# KiCad board HALTEST-panel.kicad_pcb (continued)
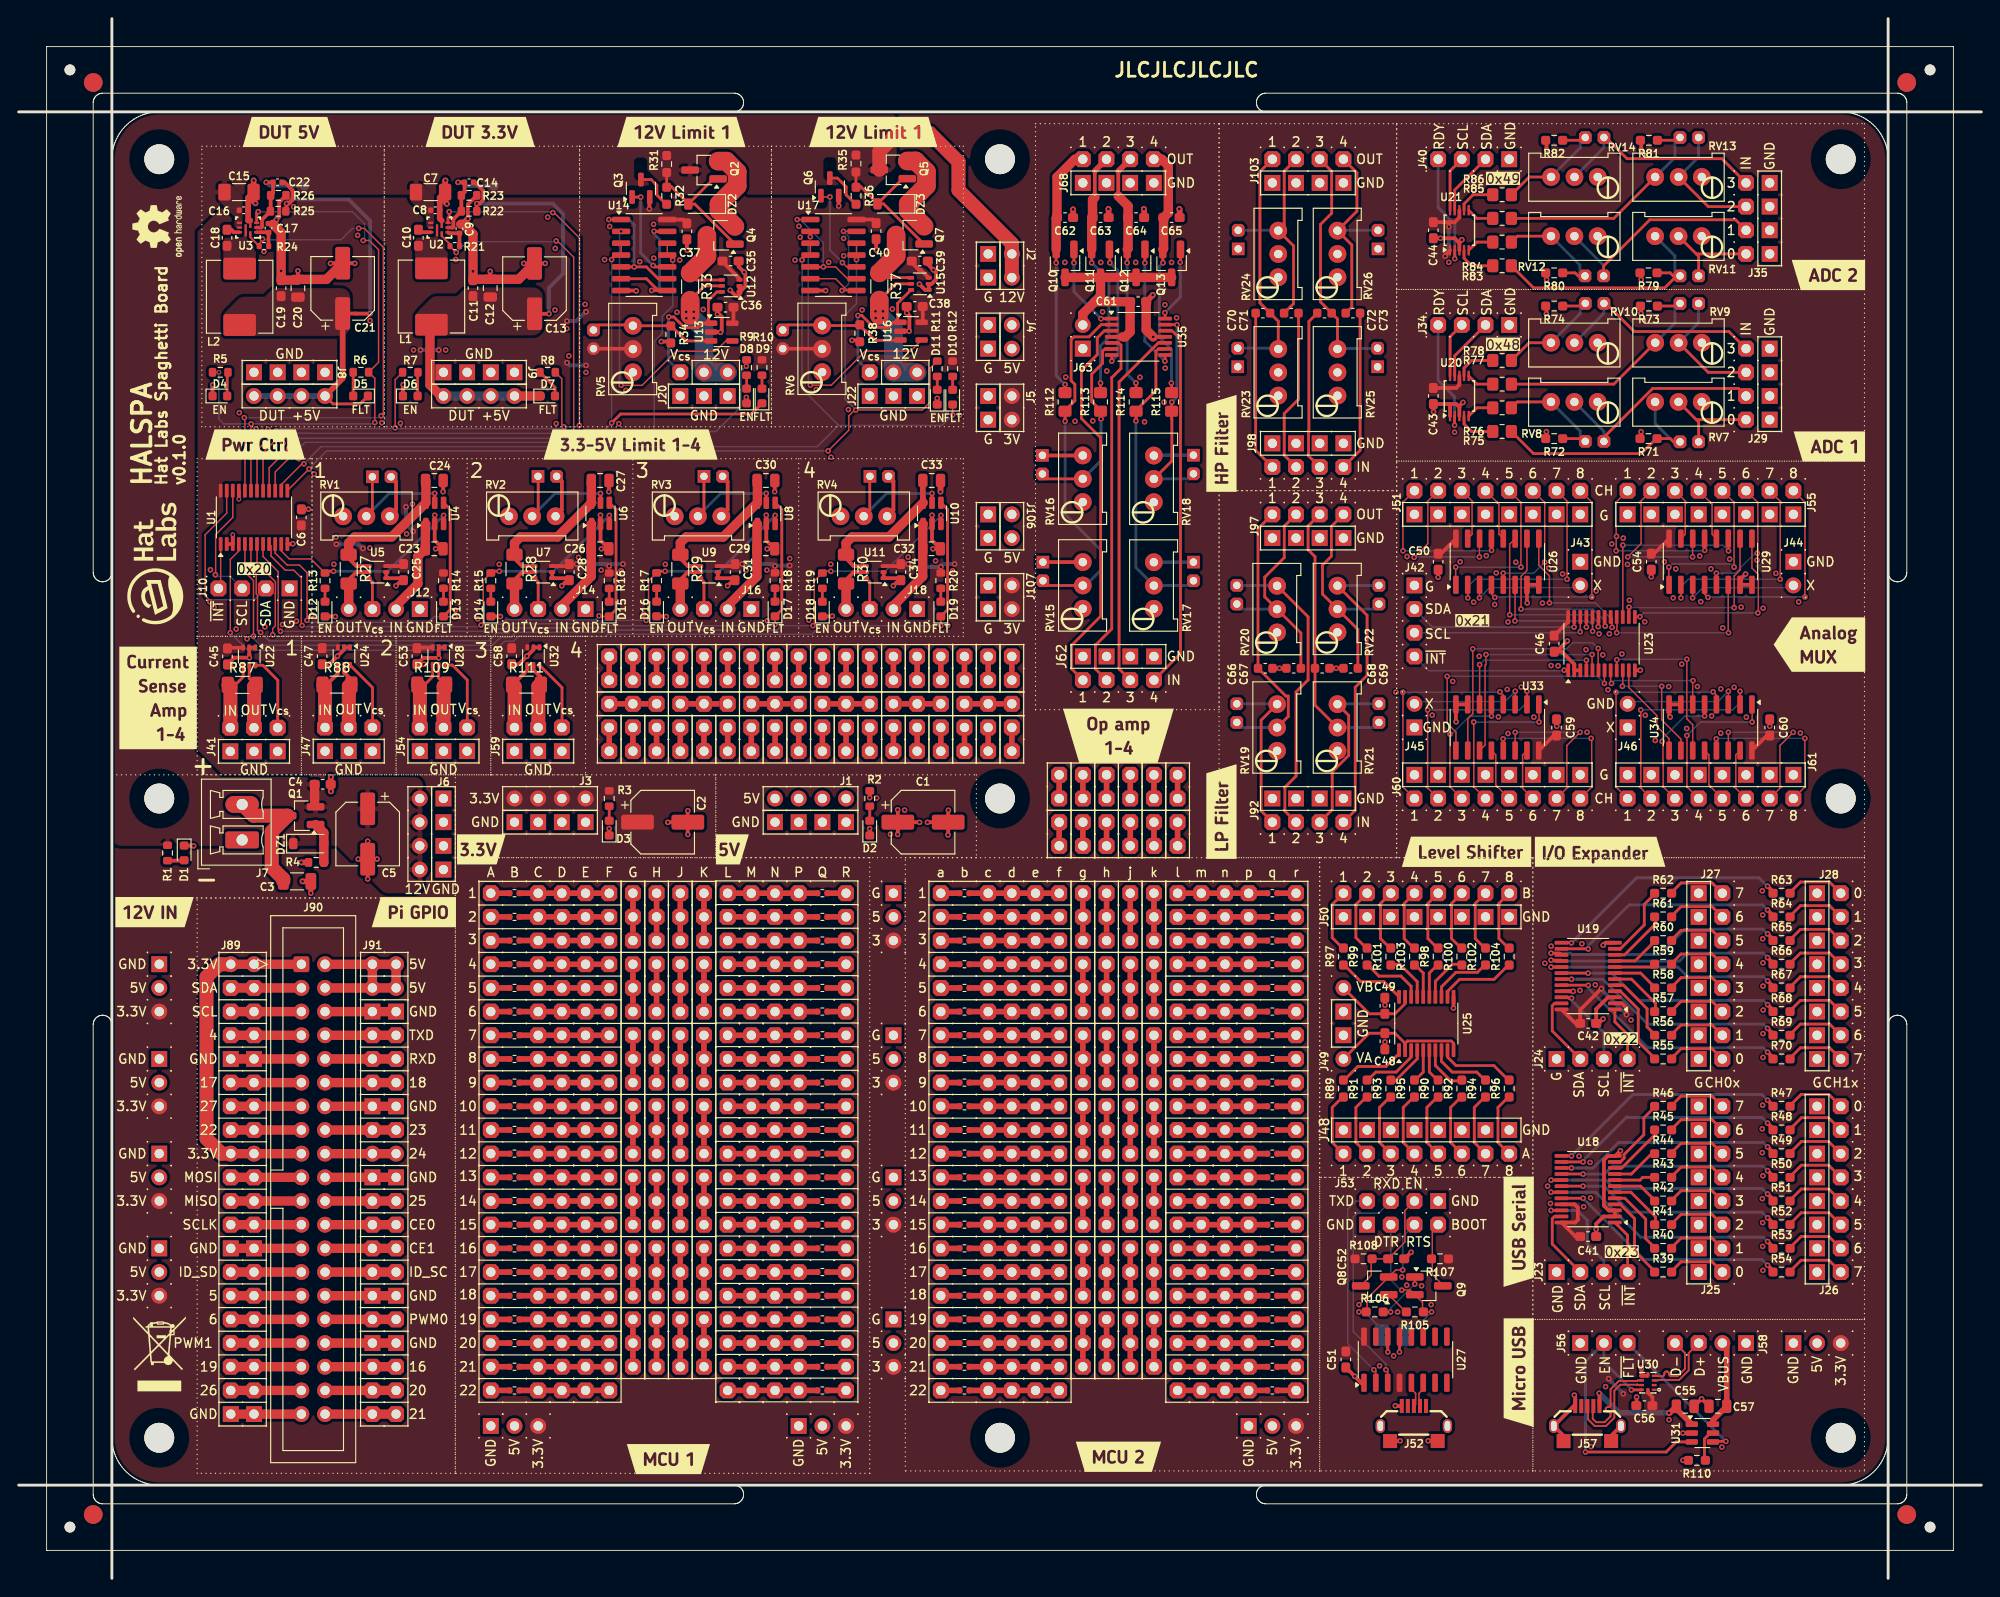
[diagram p0: board, top side]
## Routing (per net, layer and track width the routed paths; a pad name or vN(x,y) marks a point on that pad's centre or on a via; arc(x,y) is an arc through that point) (continued)
  Bottom w0.4: v1(26.55,149.76) 26.9,149.41 TP2.1
Board_0-/DUT Power/Curlim 1/CLSOUT: length 16.7
  Top w0.4: 35.08,109.73 36.22,108.59 U5.4
  Top w1: 35.4,109.73 35.4,111.08 36.03,111.72 40,111.72 U4.6 43.67,117.74 C24.1
Board_0-/DUT Power/Curlim 1/ILIM: length 13.8
  Top w0.3: RV1.2 37.94,114.58 J11.1 ; U4.5 44.62,116.38 v1(44.62,116.39)
  Bottom w0.3: v1(44.62,116.39) 39.75,116.39 RV1.2
Board_0-/DUT Power/Curlim 1/V_{Iin}: length 3.7
  Top w0.3: 37.94,103.78 37.94,106.88 U5.6
Board_0-/DUT Power/Curlim 1/Vout: length 5.7
  Top w0.4: 35.08,106.8 36.22,107.94 U5.5
  Top w1: 35.4,106.8 J12.4
Board_0-/DUT Power/Curlim 2/CLSOUT: length 16.7
  Top w0.4: 52.86,109.73 54,108.59 U7.4
  Top w1: C27.1 61.42,115.42 U6.6 57.78,111.72 53.81,111.72 53.18,111.08 53.18,109.73
Board_0-/DUT Power/Curlim 2/ILIM: length 13.9
  Top w0.3: RV2.2 55.72,114.58 55.72,118.2 J13.1 ; U6.5 62.4,116.38 v1(62.4,116.39)
  Bottom w0.3: RV2.2 57.53,116.39 v1(62.4,116.39)
Board_0-/DUT Power/Curlim 2/V_{Iin}: length 3.7
  Top w0.3: 55.72,103.78 55.72,106.88 U7.6
Board_0-/DUT Power/Curlim 2/Vout: length 5.7
  Top w0.4: U7.5 54,107.94 52.86,106.8
  Top w1: 53.18,106.8 J14.4
Board_0-/DUT Power/Curlim 3/CLSOUT: length 16.7
  Top w0.4: 70.64,109.73 71.78,108.59 U9.4
  Top w1: C30.1 79.23,117.74 U8.6 75.56,111.72 71.59,111.72 70.96,111.08 70.96,109.73
Board_0-/DUT Power/Curlim 3/ILIM: length 13.9
  Top w0.3: J15.1 73.5,114.58 RV3.2 ; v1(80.18,116.39) 80.18,116.38 U8.5
  Bottom w0.3: RV3.2 75.31,116.39 v1(80.18,116.39)
Board_0-/DUT Power/Curlim 3/V_{Iin}: length 3.7
  Top w0.3: U9.6 73.5,106.88 73.5,103.78
Board_0-/DUT Power/Curlim 3/Vout: length 5.7
  Top w0.4: 70.64,106.8 71.78,107.94 U9.5
  Top w1: 70.96,106.8 J16.4
Board_0-/DUT Power/Curlim 4/CLSOUT: length 16.7
  Top w0.4: 96.97,115.42 U10.6 ; U11.4 89.56,108.59 88.42,109.73
  Top w0.6: 96.97,117.77 96.97,115.42
  Top w1: 88.74,109.73 88.74,111.08 89.38,111.72 93.34,111.72 U10.6
Board_0-/DUT Power/Curlim 4/ILIM: length 13.9
  Top w0.3: U10.5 97.96,116.38 v1(97.96,116.39) ; 90.63,113.94 91.28,114.58 91.28,118.2 J17.1
  Bottom w0.3: v1(97.96,116.39) 93.09,116.39 90.63,113.94
Board_0-/DUT Power/Curlim 4/V_{Iin}: length 3.7
  Top w0.3: 91.28,103.78 91.28,106.88 U11.6
Board_0-/DUT Power/Curlim 4/Vout: length 5.7
  Top w0.4: 88.42,106.8 89.56,107.94 U11.5
  Top w1: 88.74,106.8 J18.4
Board_0-/DUT Power/Curlim 12V 1/CV-: length 13.6
  Top w0.3: U13.3 71.6,132.75 70.08,134.27 69.94,134.27 69.83,134.38 RV5.3 65.8,134.46 62.19,134.46 J19.2
Board_0-/DUT Power/Curlim 12V 1/ENF: length 10.4
  Top w0.3: U14.10 68.2,140.69 v1(68.06,140.84) ; v1(66.72,148.18) 65.77,148.18
  Bottom w0.3: v1(66.72,148.18) 66.72,142.18 v1(68.06,140.84)
Board_0-/DUT Power/Curlim 12V 1/FAULT: length 30.6
  Top w0.15: v1(64.61,127.98) 66.86,127.98 70.52,131.64 74.74,131.64 75.85,132.75 U13.4
  Bottom w0.15: v1(64.61,144.5) 64.44,144.32 64.44,128.16 v1(64.61,127.98)
Board_0-/DUT Power/Curlim 12V 1/G2: length 15.9
  Top w0.3: DZ2.2 72.52,147.43 Q4.1 ; DZ2.2 74.52,150.13 Q2.1 ; DZ2.2 71.81,147.48 69.97,149.33 69.86,149.33 69.52,148.98 ; R31.2 R32.1
Board_0-/DUT Power/Curlim 12V 1/LF: length 14.3
  Top w0.3: U14.9 68.59,139.42 67.32,140.69 64.61,140.69 ; v1(63.3,145.77) 64.61,145.77
  Bottom w0.3: v1(63.3,145.77) 65.45,145.77 66.02,145.2 v1(66.02,140.69)
Board_0-/DUT Power/Curlim 12V 1/PDD: length 4.5
  Top w0.3: Q3.3 67.84,150.06 68.45,149.44 68.45,148.4 69.52,147.33
Board_0-/DUT Power/Curlim 12V 1/S2: length 9.9
  Top w2: Q4.2 75.11,146.73 75.11,147.43 77.07,149.38 77.07,150.87 75.91,152.03 Q2.2
Board_0-/DUT Power/Curlim 12V 1/V_{Iin}: length 16.9
  Top w0.3: 73.44,134.65 U13.1 73.98,134.94 ; 73.44,134.65 73.31,134.65 72.84,134.18 71.42,134.18 70.27,135.32 v1(69.72,135.32) ; 73.44,134.65 73.98,134.65 73.98,134.94 ; 73.98,134.94 73.98,137.1 74.88,138 75.42,138
  Bottom w0.3: J20.2 69.72,130.62 69.72,135.32 v1(69.72,135.32)
Board_0-/DUT Power/Curlim 12V 1/Vout: length 14.9
  Top w0.3: 72.02,137.1 73.56,138.65 U12.5
  Top w2: 72.02,137.1 72.02,135.48
  Bottom w2: 72.02,135.48 73.5,134 J20.4 J20.6
  vias: v1(71.6,135.87) v1(71.61,135.18) v1(72.4,135.87) v1(72.42,135.18)
Board_0-/DUT Power/Curlim 12V 1/~{EN}: length 15.8
  Top w0.3: v1(68.14,144.51) 68.47,144.51 68.48,144.5 U14.13 ; v1(67.89,138.16) 67.9,138.15 U14.8 68.59,138.15 67.32,139.42 64.61,139.42
  Bottom w0.3: v1(68.14,144.51) 68.14,144.22 68.72,143.64 68.72,138.54 68.33,138.16 v1(67.89,138.16)
Board_0-/DUT Power/Curlim 12V 2/CV-: length 13.6
  Top w0.3: 94.56,132.83 U16.3 94.54,132.81 91.85,132.81 90.83,133.83 90.78,133.83 90.21,134.4 89.64,134.4 89.63,134.4 RV6.3 86.11,134.46 82.49,134.46 J21.2
Board_0-/DUT Power/Curlim 12V 2/ENF: length 10.3
  Top w0.15: v1(87.01,148.2) 86.06,148.2 ; U17.10 88.81,140.69 v1(88.35,141.15)
  Bottom w0.15: v1(87.01,148.2) 87.01,142.49 v1(88.35,141.15)
Board_0-/DUT Power/Curlim 12V 2/FAULT: length 31.1
  Top w0.15: U16.4 95.66,131.66 90.81,131.66 87.15,128 v1(84.91,128)
  Top w0.3: 84.1,144.5 U17.2 84.91,143.93 v1(84.91,143.93)
  Bottom w0.15: 84.91,143.64 84.69,143.42 84.69,128.22 v1(84.91,128)
Board_0-/DUT Power/Curlim 12V 2/G2: length 16
  Top w0.3: DZ3.2 92.77,147.45 97.07,143.15 Q7.1 ; DZ3.2 92.11,147.5 90.26,149.35 90.16,149.35 89.81,149 ; DZ3.2 94.81,150.15 Q5.1 ; R35.2 89.8,149.24 R36.1
Board_0-/DUT Power/Curlim 12V 2/LF: length 14.7
  Top w0.15: v1(86.31,140.69) 84.91,140.69 87.62,140.69 88.89,139.42 U17.9 ; v1(83.5,145.77) 84.91,145.77
  Bottom w0.15: v1(83.5,145.77) 83.81,145.77 86.31,143.27 v1(86.31,140.69)
Board_0-/DUT Power/Curlim 12V 2/PDD: length 4.5
  Top w0.3: 89.81,147.35 88.75,148.41 88.75,149.27 87.81,150.21 Q6.3
Board_0-/DUT Power/Curlim 12V 2/S2: length 9.9
  Top w2: Q7.2 95.41,146.75 DZ3.1 97.36,149.4 97.36,150.89 96.2,152.05 Q5.2
Board_0-/DUT Power/Curlim 12V 2/V_{Iin}: length 16.1
  Top w0.3: U15.6 94.27,136.78 94.27,135.04 U16.1 93.83,134.74 93.29,134.2 91.71,134.2 90.43,135.48 v1(90.01,135.48)
  Bottom w0.3: J22.2 90.01,130.65 90.01,130.65 90.01,135.47 v1(90.01,135.48)
Board_0-/DUT Power/Curlim 12V 2/Vout: length 15
  Top w0.3: U15.5 94.05,138.87 92.31,137.13
  Top w2: 92.31,137.13 92.31,135.5
  Bottom w2: J22.6 J22.4 93.82,133.99 92.31,135.5
  vias: v1(91.9,135.92) v1(91.91,135.2) v1(92.7,135.92) v1(92.71,135.2)
Board_0-/DUT Power/Curlim 12V 2/~{EN}: length 15.3
  Top w0.15: U17.6 87.62,139.42 88.89,138.15 U17.8 v1(88.31,138.15) ; v1(88.46,144.5) U17.13
  Bottom w0.15: v1(88.46,144.5) 89.01,143.95 89.01,138.85 v1(88.31,138.15)
Board_0-/DUT Power/EN_3V3D: length 89.3
  Top w0.15: U1.18 25.56,121.03 v1(27.63,123.09) ; R7.1 40.38,128.58 v1(40.38,123.42) ; v1(57.29,146.52) 57.43,146.52 60.14,143.81 v1(60.14,123.67) ; v1(58.5,123.52) 58.25,123.77 58.25,128.69 R8.1
  Top w0.3: v1(46.17,146.61) 46.17,146.06 46.05,145.93 U2.3
  Bottom w0.15: v1(46.17,146.61) 57.29,146.61 57.29,146.6 v1(57.29,146.52) ; v1(27.63,123.09) 27.87,123.33 40.29,123.33 v1(40.38,123.42) 40.46,123.33 58.31,123.33 v1(58.5,123.52) 60.11,123.52 60.14,123.49 v1(60.14,123.67)
Board_0-/DUT Power/EN_5VD: length 66.3
  Top w0.15: v1(36.95,143.52) 37.62,143.52 38.6,142.54 38.6,130.46 R6.1 38.19,128.73 v1(38.19,123.99) ; U1.19 24.92,123.82 v1(24.94,123.84) ; R5.1 v2(21.48,129.38)
  Top w0.3: v1(25.7,146.61) 25.52,146.43 U3.3
  Bottom w0.15: v2(21.48,129.38) 21.48,124.35 21.99,123.84 v1(24.94,123.84) 38.07,123.84 38.19,123.97 v1(38.19,123.99) ; v1(25.7,146.61) 35.8,146.61 37.1,145.31 37.1,143.67 v1(36.95,143.52)
Board_0-/DUT Power/EN_12V_1: length 81.4
  Top w0.15: v1(29.5,120.67) 27.52,118.68 U1.15 ; v1(70.15,141.42) 69.61,141.96 U14.11 U14.12 ; R9.1 78.05,130.69 v1(78.05,130.04)
  Bottom w0.15: v1(70.15,141.42) 70.15,136.49 69.03,135.37 69.03,133.55 68.17,132.68 68.17,123.03 ; v1(29.5,120.67) 30.69,121.86 67.05,121.86 68.17,122.98 68.17,123.03 ; 68.17,123.03 74.8,123.03 77.44,125.67 77.44,129.43 v1(78.05,130.04)
Board_0-/DUT Power/EN_12V_2: length 97.4
  Top w0.15: v1(86.81,120.95) 89.03,123.17 89.03,124.69 89.6,125.27 89.71,125.27 v1(89.78,125.34) 96.91,125.34 97.76,126.19 97.76,129.82 R11.1 ; U17.12 U17.11 89.86,141.47 v1(89.86,141.47) ; U1.13 31.15,119.02 v1(31.15,119.02)
  Bottom w0.15: v1(89.86,141.47) 89.86,136.75 88.64,135.53 88.64,126.48 v1(89.78,125.34) ; v1(31.15,119.02) 31.15,119.07 33.03,120.95 v1(86.81,120.95)
Board_0-/DUT Power/EN_LIM_1: length 22.5
  Top w0.15: R13.1 31.35,109.36 29.02,109.36 28.17,110.22 28.17,110.96
  Top w0.3: v1(33.77,108.04) 33.76,108.04 32.86,108.04 ; U4.3 45.58,113.11 v1(45.58,114.03)
  Bottom w0.3: v1(33.77,108.04) 39.59,108.04 v1(45.58,114.03)
Board_0-/DUT Power/EN_LIM_2: length 52.2
  Top w0.15: v1(30.4,102.22) 30.32,102.3 30.32,107.33 29.51,108.15 28.59,108.15 27.06,109.67 27.06,110.76 U1.9 ; R15.1 49.83,107.04 49.83,102.5 v1(49.6,102.27)
  Top w0.3: v1(51.55,108.04) 51.54,108.04 50.64,108.04 ; U6.3 63.36,113.11 v1(63.36,114.03)
  Bottom w0.15: v1(30.4,102.22) 30.52,102.1 49.43,102.1 v1(49.6,102.27)
  Bottom w0.3: v1(51.55,108.04) 57.37,108.04 v1(63.36,114.03)
Board_0-/DUT Power/EN_LIM_3: length 73.2
  Top w0.15: U1.7 25.56,108.89 27.54,106.92 27.54,105.62 27.53,105.61 27.53,102.18 27.25,101.9 v1(27.25,101.22) ; R17.1 67.56,107 67.56,103.01 v1(67.3,102.76)
  Top w0.3: v1(69.33,108.04) 69.32,108.04 68.42,108.04 ; U8.3 81.14,113.11 v1(81.14,114.03)
  Bottom w0.15: v1(67.3,102.76) 62.74,102.76 62.39,102.4 52.77,102.4 52.25,101.88 50.93,101.88 50.13,101.08 28.32,101.08 28.3,101.07 27.4,101.07 v1(27.25,101.22)
  Bottom w0.3: v1(69.33,108.04) 75.15,108.04 v1(81.14,114.03)
Board_0-/DUT Power/EN_LIM_4: length 93.9
  Top w0.15: v1(98.92,114.03) 98.92,113.11 U10.3 ; 86.2,108.04 87.1,108.04 v1(87.11,108.04) ; v1(25.19,101.07) 25.19,107.03 24.27,107.95 U1.5 ; R19.1 85.34,106.99 85.34,102.34 v1(85.2,102.2)
  Bottom w0.15: v1(87.11,108.04) 92.93,108.04 v1(98.92,114.03) ; v1(25.19,101.07) 25.19,100.82 25.91,100.1 50.82,100.1 51.7,100.98 52.82,100.98 53.34,101.5 62.76,101.5 62.98,101.73 81.32,101.73 81.79,102.2 v1(85.2,102.2)
Board_0-/DUT Power/G2: length 4.4
  Top w1: R4.1 32.73,76.8 32.73,79.98 Q1.1
Board_0-/DUT Power/PG_3V3: length 73.5
  Top w0.15: v1(27.81,122.36) 26.22,120.76 U1.17 ; R21.1 46.27,142.9 v1(46.93,142.23) ; v1(59.45,122.92) 59.53,123 59.53,141.72 57.85,143.4 57.72,143.4 v1(57.65,143.47)
  Top w0.2: U2.9 45.38,144 46.27,143.11 R21.1
  Bottom w0.15: v1(59.45,122.92) 59.36,122.83 31.31,122.83 31.31,122.83 28.29,122.83 v1(27.81,122.36) ; v1(46.93,142.23) 48.1,143.4 57.58,143.4 v1(57.65,143.47)
Board_0-/DUT Power/PG_5V: length 57.8
  Top w0.15: U1.20 24.27,124.34 24.2,124.41 v1(24.2,124.52) ; v1(38.88,124.72) 39.11,124.94 39.11,142.79 37.08,144.82 v1(36.47,144.82) ; v1(26.15,143.67) 26.15,143.55 25.8,143.2 R24.1
  Top w0.2: U3.9 24.85,143.86 R24.1
  Bottom w0.15: v1(24.2,124.52) 38.69,124.52 v1(38.88,124.72) ; v1(36.47,144.82) 35.8,144.82 34.58,143.6 26.22,143.6 v1(26.15,143.67)
Board_0-/DUT Power/SCL: length 13.3
  Top w0.15: 22.97,116.68 22.97,113.81 21.13,111.97 21.13,107.69 v1(21.1,107.67)
  Bottom w0.15: J10.3 22.68,107.49 21.28,107.49 v1(21.1,107.67)
Board_0-/DUT Power/SDA: length 19.7
  Top w0.15: U1.23 22.31,114.26 20,111.95 20,105.41 20.5,104.91 v1(20.5,104.77)
  Bottom w0.15: v1(20.5,104.77) 20.73,105 25.31,105 J10.2
Board_0-/DUT Power/~{FAULT_12V_1}: length 78.2
  Top w0.15: v1(63.59,141.47) 64.08,141.96 64.61,141.96 64.61,143.23 ; U1.16 26.86,119.13 v1(28.95,121.22)
  Top w0.3: v1(63.59,123.94) 64.56,124.91 78.58,124.91 D9.1
  Bottom w0.15: v1(63.59,141.47) v1(63.59,123.94) 61.97,122.32 30.05,122.32 v1(28.95,121.22)
Board_0-/DUT Power/~{FAULT_12V_2}: length 98.6
  Top w0.15: v1(30.6,119.57) 30.4,119.57 28.17,117.33 28.17,116.68 ; 84.91,143.23 84.91,141.96 84.54,141.96 v1(84.02,141.44) ; v1(100.17,124.81) D11.1
  Bottom w0.15: 87.93,123.69 99.05,123.69 v1(100.17,124.81) ; 87.93,123.69 84.02,127.6 v1(84.02,141.44) ; 87.93,123.69 85.64,121.4 32.43,121.4 v1(30.6,119.57)
Board_0-/DUT Power/~{FAULT_LIM_1}: length 40.8
  Top w0.15: U1.10 27.52,109.99 28.8,108.7 30.12,108.7 30.93,107.89 v1(30.93,102.77) ; v1(46.8,103.12) 46.75,103.17 45.59,103.17 D13.1
  Top w0.3: D13.1 46.29,103.92 46.29,114.67 U4.4
  Bottom w0.15: v1(30.93,102.77) 30.93,102.61 30.98,102.56 43.93,102.56 44.54,103.17 46.75,103.17 v1(46.8,103.12)
Board_0-/DUT Power/~{FAULT_LIM_2}: length 59
  Top w0.15: v1(62.25,103.27) 62.42,103.27 62.5,103.19 D15.1 ; v1(28.08,101.59) 27.83,101.85 27.83,107.99 26.22,109.61 U1.8
  Top w0.3: U6.4 64.07,114.67 64.07,103.92 D15.1
  Bottom w0.15: v1(28.08,101.59) 49.99,101.59 50.75,102.35 51.81,102.35 52.31,102.85 61.93,102.85 62.09,103.01 62.09,103.11 v1(62.25,103.27)
Board_0-/DUT Power/~{FAULT_LIM_3}: length 79.9
  Top w0.15: v1(25.95,101.47) 25.85,101.47 25.61,101.71 25.61,105.49 25.48,105.62 25.48,107.75 24.92,108.32 U1.6 ; D17.1 v1(81.12,102.32)
  Top w0.3: 81.12,103.19 81.85,103.92 81.85,114.67 U8.4
  Bottom w0.15: v1(25.95,101.47) 26.86,100.56 27.74,100.56 27.76,100.58 50.44,100.58 51.29,101.43 52.56,101.43 53.08,101.95 62.57,101.95 62.82,102.2 81,102.2 v1(81.12,102.32)
Board_0-/DUT Power/~{FAULT_LIM_4}: length 101.8
  Top w0.15: D19.1 v1(98.9,102.2) ; U1.4 23.61,110.22 22.7,109.31 v1(22.7,101.44)
  Top w0.3: D19.1 99.63,103.92 99.63,114.67 U10.4
  Bottom w0.15: v1(22.7,101.44) 24.58,99.56 24.97,99.56 24.99,99.54 25.39,99.54 25.4,99.56 51.15,99.56 52.11,100.53 53.08,100.53 53.6,101.05 62.95,101.05 63.17,101.27 85.08,101.27 86.01,102.2 v1(98.9,102.2)
Board_0-/DUT Power/~{INT}: length 4.9
  Top w0.15: J10.4 21.67,106.43 21.67,110.96
Board_0-/Filters/HPIN1: length 17.3
  Top w0.3: J98.2 132.67,121.01 132.67,135.73
Board_0-/Filters/HPIN2: length 17.7
  Top w0.3: C71.1 137.27,126.49 135.73,124.95 135.73,120.49 J98.4
Board_0-/Filters/HPIN3: length 17.4
  Top w0.3: C72.1 138.38,134.84 138.38,122.96 138.34,122.92 138.34,120.42 J98.6
Board_0-/Filters/HPIN4: length 17.3
  Top w0.3: C73.1 143.87,121.01 J98.8
Board_0-/Filters/HPOUT1: length 26.1
  Top w0.3: RV23.3 135.09,134.85 C70.2 133.13,136.82 133.13,150.91 J103.2
  Bottom w0.3: RV23.3 135,131.97 J99.2
Board_0-/Filters/HPOUT2: length 22.7
  Top w0.3: J103.4 135.73,150.97 135.73,145.22 RV24.3 136.73,142.94 136.73,136.74 135.72,135.73
  Bottom w0.3: RV24.3 135.06,144.62 J100.2
Board_0-/Filters/HPOUT3: length 26.5
  Top w0.3: RV25.3 141.44,135.11 C72.2 139.63,136.92 139.63,145.25 140.82,146.44 140.82,150.96 J103.6
  Bottom w0.3: RV25.3 141.49,131.92 145.7,131.92 J101.2
Board_0-/Filters/HPOUT4: length 23.3
  Top w0.3: C73.2 142.98,136.39 142.98,143.04 RV26.3 143.53,146.66 143.53,150.79 J103.8
  Bottom w0.3: J102.2 141.49,144.62 RV26.3
Board_0-/Filters/LPIN1: length 18.2
  Top w0.3: RV19.3 133.26,92.07 133.26,82.32 J92.2
  Bottom w0.3: RV19.3 134.93,93.82 J93.1
Board_0-/Filters/LPIN2: length 32.6
  Top w0.3: RV20.3 138.29,103.16 138.29,96.38 137,95.09 137,86.06 135.8,84.86 135.8,82.32 J92.4
  Bottom w0.3: RV20.3 134.93,106.52 J94.1
Board_0-/Filters/LPIN3: length 18.9
  Top w0.3: J92.6 140.88,82.46 140.88,86.52 142.65,88.28 142.65,92.58 RV21.3
  Bottom w0.3: J95.1 141.49,93.82 RV21.3
Board_0-/Filters/LPIN4: length 32.2
  Top w0.3: J92.8 143.35,82.39 143.35,95.6 144.62,96.87 144.62,103.31 RV22.3
  Bottom w0.3: RV22.3 141.47,106.52 J96.1
Board_0-/Filters/LPOUT1: length 29.8
  Top w0.3: J97.2 132.92,112.6 C66.1 135.9,94.65 136.17,94.65 136.17,92.47 RV19.2
  Bottom w0.3: 130.65,91.28 134.96,91.28 RV19.2
Board_0-/Filters/LPOUT2: length 23.8
  Top w0.3: J97.4 135.74,112.88 135.74,109.5 133.64,107.4 133.64,105.3 RV20.2 137.52,101.42 C67.1
  Bottom w0.3: 130.65,103.98 134.96,103.98 RV20.2
Board_0-/Filters/LPOUT3: length 29.1
  Top w0.3: J97.6 138.29,112.89 138.29,110.35 139.03,109.61 C68.1 139.03,93.68 RV21.2
  Bottom w0.3: 145.89,91.28 141.46,91.28 RV21.2
Board_0-/Filters/LPOUT4: length 23.5
  Top w0.3: J97.8 140.79,112.85 140.79,109.65 139.84,108.7 139.84,105.58 RV22.2 143.63,101.79 C69.1
  Bottom w0.3: 145.89,103.98 RV22.2
Board_0-/Level Shifting/A1: length 7.5
  Top w0.3: 142.08,53.37 143.62,54.91 146.65,54.91 148.04,56.31 U25.1
Board_0-/Level Shifting/A2: length 6.5
  Top w0.3: 144.62,53.37 145.56,54.31 147.73,54.31 149.34,55.92 U25.3
Board_0-/Level Shifting/A3: length 4.7
  Top w0.3: 147.16,53.37 147.63,53.37 150,55.73 U25.4
Board_0-/Level Shifting/A4: length 3.7
  Top w0.3: U25.5 150.65,54.31 149.7,53.37
Board_0-/Level Shifting/A5: length 3.7
  Top w0.3: 152.24,53.37 151.29,54.31 U25.6
Board_0-/Level Shifting/A6: length 5.2
  Top w0.3: 154.78,53.37 153.59,53.37 151.94,55.01 U25.7
Board_0-/Level Shifting/A7: length 6.8
  Top w0.3: U25.8 152.59,55.47 153.75,54.31 156.38,54.31 157.32,53.37
Board_0-/Level Shifting/A8: length 8.4
  Top w0.3: 159.86,53.37 158.22,55.01 154.16,55.01 153.25,55.92 U25.9
Board_0-/Level Shifting/Ac1: length 7.2
  Top w0.3: J48.2 140.88,46.76 140.88,50.52 142.08,51.72
Board_0-/Level Shifting/Ac2: length 7.2
  Top w0.3: J48.4 143.42,46.76 143.42,50.52 144.62,51.72
Board_0-/Level Shifting/Ac3: length 7.2
  Top w0.3: 147.16,51.72 145.96,50.52 145.96,46.76 J48.6
Board_0-/Level Shifting/Ac4: length 7.2
  Top w0.3: J48.8 148.5,46.76 148.5,50.52 149.7,51.72
Board_0-/Level Shifting/Ac5: length 7.2
  Top w0.3: 152.24,51.72 151.04,50.52 151.04,46.76 J48.10
Board_0-/Level Shifting/Ac6: length 7.2
  Top w0.3: J48.12 153.58,46.76 153.58,50.52 154.78,51.72
Board_0-/Level Shifting/Ac7: length 7.2
  Top w0.3: J48.14 156.12,46.76 156.12,50.52 157.32,51.72
Board_0-/Level Shifting/Ac8: length 7.2
  Top w0.3: J48.16 158.66,46.76 158.66,50.52 159.86,51.72
Board_0-/Level Shifting/B1: length 7.4
  Top w0.3: 142.08,65.88 143.95,64.01 146.42,64.01 U25.20
Board_0-/Level Shifting/B2: length 6.8
  Top w0.3: 144.62,65.88 145.89,64.61 148.25,64.61 149.34,63.51 U25.18
Board_0-/Level Shifting/B3: length 5.2
  Top w0.3: 147.16,65.88 148.13,65.88 150,64.01 U25.17
Board_0-/Level Shifting/B4: length 3.9
  Top w0.3: 149.7,65.88 150.65,64.93 U25.16
Board_0-/Level Shifting/B5: length 3.9
  Top w0.3: U25.15 151.29,64.93 152.24,65.88
Board_0-/Level Shifting/B6: length 5.3
  Top w0.3: 154.78,65.88 153.77,65.88 151.94,64.05 U25.14
Board_0-/Level Shifting/B7: length 6.8
  Top w0.3: U25.13 152.59,63.45 154.15,65.01 156.45,65.01 157.32,65.88
Board_0-/Level Shifting/B8: length 8.4
  Top w0.3: U25.12 153.25,62.97 154.54,64.26 158.24,64.26 159.86,65.88
Board_0-/Level Shifting/Bc1: length 7
  Top w0.3: J50.2 140.88,72.3 140.88,68.73 142.08,67.53
Board_0-/Level Shifting/Bc2: length 7
  Top w0.3: 144.62,67.53 143.42,68.73 143.42,72.3 J50.4
Board_0-/Level Shifting/Bc3: length 6.9
  Top w0.3: 147.16,67.53 146.06,68.63 146.06,72.4 J50.6
Board_0-/Level Shifting/Bc4: length 6.9
  Top w0.3: 149.7,67.53 148.6,68.63 148.6,72.4 J50.8
Board_0-/Level Shifting/Bc5: length 6.9
  Top w0.3: 152.24,67.53 151.14,68.63 151.14,72.4 J50.10
Board_0-/Level Shifting/Bc6: length 6.9
  Top w0.3: 154.78,67.53 153.68,68.63 153.68,72.4 J50.12
Board_0-/Level Shifting/Bc7: length 6.9
  Top w0.3: J50.14 156.22,72.4 156.22,68.63 157.32,67.53
Board_0-/Level Shifting/Bc8: length 6.9
  Top w0.3: J50.16 158.76,72.4 158.76,68.63 159.86,67.53
Board_0-/Opamp/I1-: length 39
  Top w0.3: U35.2 116.09,134.49 114.78,133.18 113.18,133.18 112.88,132.88 112.88,128.48 113.28,128.08 113.28,126.33 112.24,125.29 112.22,125.29 112.22,124.38 112.23,124.38 v1(112.23,124.12) ; J64.2 110.36,106.51 RV15.2
  Bottom w0.3: v1(112.23,124.12) 112.23,114.14 116.04,110.33 116.04,108.13 114.43,106.51 RV15.2
Board_0-/Opamp/I2-: length 21
  Top w0.3: U35.6 116.5,131.89 116.25,131.64 116.25,130.35 115.08,129.18 115.08,126.24 116.03,125.29 116.03,124.42 v1(116.08,124.38) ; J65.2 110.32,117.95 RV16.2
  Bottom w0.3: RV16.2 116.08,119.9 v1(116.08,124.38)
Board_0-/Opamp/I3-: length 32.4
  Top w0.3: U35.9 122.22,131.89 121.97,131.64 121.97,127.42 119.84,125.29 119.84,124.39 119.83,124.38 v1(119.83,124.17)
  Bottom w0.3: v1(119.83,124.17) 119.83,108.42 RV17.2 121.77,106.52 125.5,106.52 J66.2
Board_0-/Opamp/I4-: length 23.4
  Top w0.3: RV18.2 123.68,119.87 123.68,124.38 123.66,124.41 123.66,126.16 v1(123.68,126.18) ; v1(124.23,134.48) 124.22,134.49 U35.13
  Bottom w0.3: J67.2 126,118.38 125.56,117.94 RV18.2 ; v1(123.68,126.18) 124.23,126.73 v1(124.23,134.48)
Board_0-/Opamp/IN1: length 41.9
  Top w0.3: U35.3 116.44,133.84 115.68,133.08 115.68,131.28 113.98,129.58 113.98,124.43 116.04,122.36 116.04,103.21 112.94,100.1 112.94,97.56 J62.2
Board_0-/Opamp/IN2: length 38.7
  Top w0.3: J62.4 115.48,97.56 115.48,100.1 117.23,101.85 117.23,128.8 118.22,129.79 118.22,132.29 117.97,132.54 U35.5
Board_0-/Opamp/IN3: length 39.2
  Top w0.3: J62.6 118.02,97.56 118.02,128.33 122.22,132.54 U35.10
Board_0-/Opamp/IN4: length 39.8
  Top w0.3: U35.12 123.7,133.84 124.61,132.93 124.61,99.21 J62.8
Board_0-/Opamp/O1: length 9.8
  Top w0.3: U35.1 117.23,135.13 v1(116.08,135.13) ; Q10.1 113.18,142.56 v1(113.18,141.13)
  Bottom w0.3: v1(116.08,135.13) 113.18,138.03 v1(113.18,141.13)
Board_0-/Opamp/O2: length 13.3
  Top w0.3: v1(117.03,141.13) 117.03,142.52 116.99,142.56 ; U35.7 117.24,130.59 v1(117.23,130.58)
  Bottom w0.3: v1(117.03,141.13) 117.88,140.28 117.88,131.23 v1(117.23,130.58)
Board_0-/Opamp/O3: length 13.6
  Top w0.3: U35.8 122.96,130.61 v1(122.93,130.58) ; v1(120.78,141.13) 120.79,141.14 Q12.1
  Bottom w0.3: v1(120.78,141.13) 120.78,132.73 v1(122.93,130.58)
Board_0-/Opamp/O4: length 8.1
  Top w0.3: Q13.1 124.6,141.2 v1(124.58,141.18) ; v1(122.93,135.78) 122.96,135.75 U35.14
  Bottom w0.3: v1(122.93,135.78) 124.58,137.43 v1(124.58,141.18)
Board_0-/Opamp/OUT1: length 27.2
  Top w0.3: v1(112.23,128.08) 112.23,127.12 112.22,127.12 ; Q10.2 111.28,141.13 v1(111.28,141.13)
  Top w1: J68.2 113.28,152.24 111.36,150.32 C62.2 111.28,145.89 Q10.2
  Bottom w0.3: v1(111.28,141.13) 111.28,129.03 v1(112.23,128.08)
Board_0-/Opamp/OUT2: length 26.9
  Top w0.3: 116.03,127.12 116.03,128.22 v1(116.03,128.23) ; Q11.2 115.09,141.13 v1(115.08,141.13)
  Top w0.4: 115.43,148.15 115.42,148.16 115.42,150.99
  Top w0.6: 115.42,150.99 J68.4
  Top w1: Q11.2 115.09,145.89 C63.2 115.17,147.89 115.43,148.15
  Bottom w0.3: v1(116.03,128.23) 116.03,132.23 116.93,133.13 116.93,139.28 v1(115.08,141.13)
Board_0-/Opamp/OUT3: length 26.5
  Top w0.3: v1(119.83,128.23) 119.84,128.22 119.84,127.12 ; Q12.2 118.9,141.14 v1(118.88,141.13)
  Top w0.4: 117.93,148.28 117.93,150.96
  Top w0.6: 117.93,150.96 J68.6
  Top w1: 117.93,148.28 118.98,147.23 C64.2 118.98,142.65 Q12.2
  Bottom w0.3: v1(119.83,128.23) 118.88,129.18 v1(118.88,141.13)
Board_0-/Opamp/OUT4: length 27.4
  Top w0.3: v1(122.73,141.13) 122.71,141.16 Q13.2 ; v1(123.63,128.23) 123.66,128.2 123.66,127.12
  Top w1: C65.2 122.79,142.65 Q13.2 ; C65.2 122.71,145.89 ; C65.2 123.3,146.49 123.3,151.54 122.6,152.24 J68.8
  Bottom w0.3: v1(122.73,141.13) 122.33,140.73 122.33,133.13 123.63,131.83 v1(123.63,128.23)
Board_0-/Raspberry Pi GPIO/GPIO0: length 7.6
  Top w1: J90.27 J89.27
Board_0-/Raspberry Pi GPIO/GPIO1: length 7.6
  Top w1: J90.28 J91.28
Board_0-/Raspberry Pi GPIO/GPIO2: length 7.6
  Top w1: J90.3 J89.3
Board_0-/Raspberry Pi GPIO/GPIO3: length 7.6
  Top w1: J90.5 J89.5
Board_0-/Raspberry Pi GPIO/GPIO4: length 7.6
  Top w1: J90.7 J89.7
Board_0-/Raspberry Pi GPIO/GPIO5: length 7.6
  Top w1: J90.29 J89.29
Board_0-/Raspberry Pi GPIO/GPIO6: length 7.6
  Top w1: J90.31 J89.31
Board_0-/Raspberry Pi GPIO/GPIO7: length 7.6
  Top w1: J90.26 J91.26
Board_0-/Raspberry Pi GPIO/GPIO8: length 7.6
  Top w1: J90.24 J91.24
Board_0-/Raspberry Pi GPIO/GPIO9: length 7.6
  Top w1: J90.21 J89.21
Board_0-/Raspberry Pi GPIO/GPIO10: length 7.6
  Top w1: J90.19 J89.19
Board_0-/Raspberry Pi GPIO/GPIO11: length 7.6
  Top w1: J90.23 J89.23
Board_0-/Raspberry Pi GPIO/GPIO12: length 7.6
  Top w1: J90.32 J91.32
Board_0-/Raspberry Pi GPIO/GPIO13: length 7.6
  Top w1: J90.33 J89.33
Board_0-/Raspberry Pi GPIO/GPIO14: length 7.6
  Top w1: J90.8 J91.8
Board_0-/Raspberry Pi GPIO/GPIO15: length 7.6
  Top w1: J90.10 J91.10
Board_0-/Raspberry Pi GPIO/GPIO16: length 7.6
  Top w1: J90.36 J91.36
Board_0-/Raspberry Pi GPIO/GPIO17: length 7.6
  Top w1: J90.11 J89.11
Board_0-/Raspberry Pi GPIO/GPIO18: length 7.6
  Top w1: J90.12 J91.12
Board_0-/Raspberry Pi GPIO/GPIO19: length 7.6
  Top w1: J90.35 J89.35
Board_0-/Raspberry Pi GPIO/GPIO20: length 7.6
  Top w1: J90.38 J91.38
Board_0-/Raspberry Pi GPIO/GPIO21: length 7.6
  Top w1: J90.40 J91.40
Board_0-/Raspberry Pi GPIO/GPIO22: length 7.6
  Top w1: J90.15 J89.15
Board_0-/Raspberry Pi GPIO/GPIO23: length 7.6
  Top w1: J90.16 J91.16
Board_0-/Raspberry Pi GPIO/GPIO24: length 7.6
  Top w1: J90.18 J91.18
Board_0-/Raspberry Pi GPIO/GPIO25: length 7.6
  Top w1: J90.22 J91.22
Board_0-/Raspberry Pi GPIO/GPIO26: length 7.6
  Top w1: J90.37 J89.37
Board_0-/Raspberry Pi GPIO/GPIO27: length 7.6
  Top w1: J90.13 J89.13
Board_0-/Raspberry Pi GPIO/RPI_3V3: length 38.9
  Top w1: J90.17 J89.17 ; J90.1 J89.1
  Top w1.5: J89.1 21.51,65.88 20.15,64.52 20.15,47.17 21.76,45.56 J89.17
Board_0-/Raspberry Pi GPIO/RPI_5V: length 20.3
  Top w1: J90.4 J91.4 J91.2 J90.2 ; J91.4 J91.2
Board_0-/USB connector/D+: length 11
  Top w0.2: U30.8 173.67,20.73 173.62,20.78 173.58,20.78 173.57,20.77 171.78,20.77 171.13,20.13 171.13,17.23 170.26,16.35 169.02,16.35 168.32,17.06 168.32,17.87 168.24,17.94 J57.3
